# Altium PCB PCB1.PcbDoc (part 5 of 5) (continued)
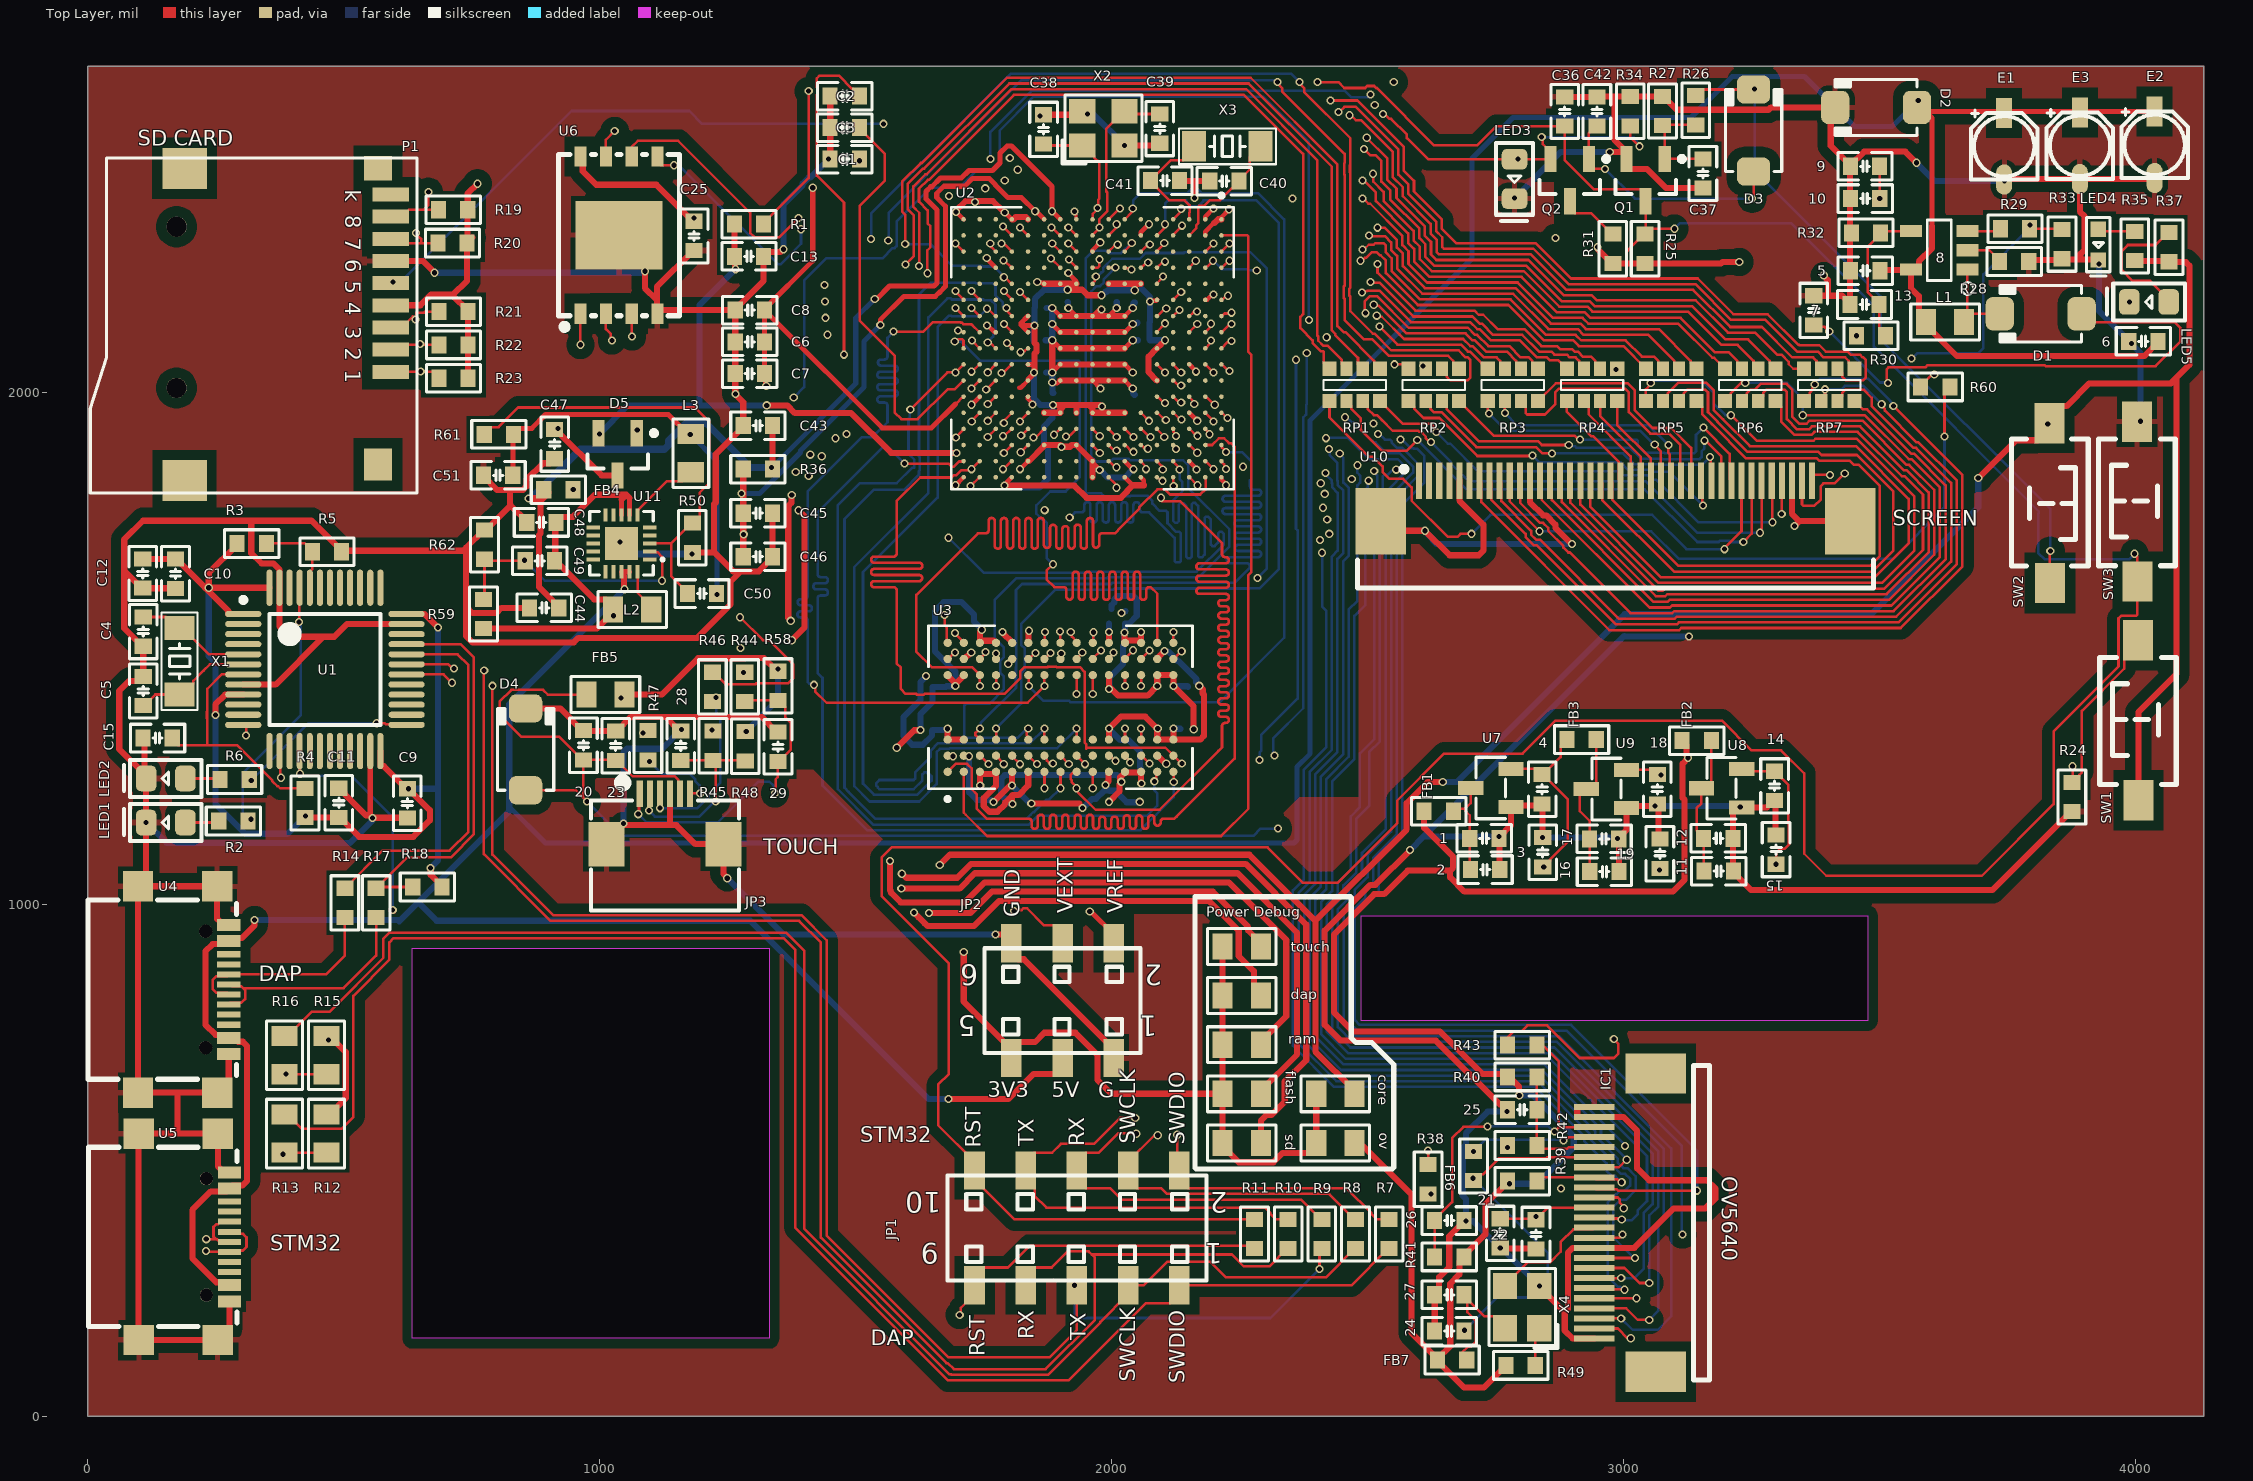
[diagram p0: Top Layer view]
## Nets (pads, with @x,y where several pads share a name; then routed paths per layer and width w, separated by ;. In a path a pad name is that pad's centre, name@x,y a point inside that pad or via, vN(x,y) a via of type N, cw(c..) or ccw(c..) an arc to the next point about the centre after c; other vN are vias at no path point) (continued)
NetRP7_5: RP7.5 U10.7 | length 1730.5
  Top Layer w5: U10.7@2718.62,1827.6 2722.03,1824.19 2722.03,1785.97 2972,1536 3108.81,1536 3112.81,1540 3541.45,1540 3662,1660.55 3662,1839 v1(3527,1974) ; RP7.5@3352.79,1983.5 3364.07,1994.78 3364.07,2000.02 3368.5,2004.45 3368.5,2007.53 3373.58,2012.6 v1(3373.58,2015.58)
  Bottom Layer w5: v1(3373.58,2015.58) 3385,2027 3477.76,2027 3520.71,1984.05 3520.71,1983.26 3527,1976.98 v1(3527,1974)
NetRP7_6: RP7.6 U10.8 | length 1630.4
  Top Layer w5: U10.8@2738.31,1827.6 2741.71,1824.19 2741.71,1790.52 2808.5,1723.73 2808.5,1717.61 2824.61,1701.5 2830.73,1701.5 2985.23,1547 3104.25,1547 3108.25,1551 3536.89,1551 3651,1665.11 3651,1827.89 3576.08,1902.82 3572.18,1902.82 3510.5,1964.5 3510.5,1967.95 3504.21,1974.24 v1(3504.21,1977.21) ; RP7.6@3386.25,1983.5 3393.52,1990.77 v1(3393.52,2006.29)
  Bottom Layer w5: v1(3393.52,2006.29) 3425.89,2006.29 3432.6,2013 3468.43,2013 v1(3504.21,1977.21)
NetRP7_7: RP7.7 U10.9 | length 1539.5
  Top Layer w5: U10.9@2757.99,1827.6 2761.4,1824.19 2761.4,1788.05 2819.5,1729.94 2819.5,1722.17 2829.17,1712.5 2836.94,1712.5 2991.44,1558 3099.7,1558 3103.7,1562 3532.34,1562 3640,1669.66 3640,1823.34 3571.52,1891.82 3566.28,1891.82 3484.5,1973.59 3484.5,1989.8 3468.51,2005.78 3433.91,2005.78 3427.06,1998.93 3427.06,1992.81 RP7.7@3417.75,1983.5
NetRP7_8: RP7.8 U10.11 | length 1412.1
  Top Layer w5: U10.11@2797.83,1837.01 2797.83,1784.67 2836.99,1745.5 2842.83,1745.5 2852.5,1735.83 2852.5,1729.99 2882.5,1699.99 2882.5,1697.17 2892.17,1687.5 2894.99,1687.5 3013.49,1569 3095.14,1569 3099.14,1573 3527.78,1573 3629,1674.22 3629,1818.78 3566.96,1880.82 3561.72,1880.82 3475.54,1967 3467.72,1967 RP7.8@3451.21,1983.5
OS_25M_IN: C39.2 U2.J2 X2.3 | length 342.5
  Top Layer w5: U2.J2@1962.48,2306.97 1962.48,2308.01 1975.94,2321.47 v1(1975.94,2322.72) 1975.94,2338.71 1991.17,2353.94 1991.17,2390.83 1989,2393 1989,2515.31 2023.31,2549.62 X2.3@2025.28,2549.62 2030.74,2544.16 C39.2@2093.94,2544.16
OS_25M_OUT: C38.2 U2.J1 X2.1 | length 242.5
  Top Layer w5: C38.2@1866.94,2485.61 1869.86,2482.69 X2.1@1942.6,2482.69 1944.57,2482.69 1965.69,2461.57 1965.69,2459.6 1975.94,2449.35 1975.94,2378.77 1973.44,2376.27 1973.44,2361.72 v1(1972.5,2360.77) ; U2.J1@1962.48,2338.46 1963.22,2339.2 1963.22,2349.33 v1@1974.67,2360.77
OS_32K_IN: C40.1 U2.C2 X3.2 | length 249.7
  Top Layer w5: U2.C2@2151.46,2306.97 2165.1,2320.61 2165.1,2326.79 2169,2330.69 2169,2362.07 2171.93,2365 2180.87,2365 2191.87,2376 2211.54,2376 2234.31,2398.77 2236.28,2398.77 2248.54,2411.03 C40.1@2248.54,2413 2248.54,2414.97 2269.84,2436.26 2269.84,2459.88 X3.2@2290.96,2481
OS_32K_OUT: C41.1 U2.C1 X3.1 | length 243.5
  Top Layer w5: U2.C1@2151.46,2338.46 2151.46,2351.41 2152.21,2352.17 2152.21,2365.83 2142.54,2375.5 2113.13,2375.5 2088.86,2399.77 2087.72,2399.77 2075.46,2412.03 C41.1@2075.46,2414 2075.46,2415.97 2087.72,2428.23 2089.69,2428.23 2115.43,2453.97 2139.92,2453.97 2161.04,2475.09 X3.1@2161.04,2481
PA9: JP1.8 R10.2 U2.D15 | length 2718.8
  Top Layer w5: v1(2046,583) 2016,583 1965,532 1900.74,532 1883.84,515.11 1849.58,515.11 1832,497.53 JP1.8@1832,480.2 1849.58,462.63 1849.58,430.42 1872.19,407.81 2299.25,407.81 2309.89,397.18 2309.89,395.18 2320.52,384.54 R10.2@2344.75,384.54 ; U2.D15@2119.96,1897.52 2119.96,1896.48 2125.58,1890.85 v1(2125.58,1889.57)
  Layer 1 w5: v1(2046,583) 2086,623 2086,1087 2137,1138 2188.33,1138 2384,1333.67 2384,1608 2434,1658 2434,1690 2424.15,1699.85 2421.49,1699.85 2409.54,1711.8 v1(2406.69,1711.8)
  Layer 4 w5: v1(2125.58,1889.57) 2138.44,1876.71 2138.44,1872 2149.2,1861.24 2149.2,1794.52 2095,1740.32 2095,1721 2107.5,1708.5 2265.77,1708.5 2284.77,1727.5 2396.5,1727.5 2400.26,1723.74 2400.26,1721.21 2406.69,1714.77 v1(2406.69,1711.8)
PA10: JP1.6 R9.2 U2.D14 | length 2588.5
  Top Layer w5: v1(2048,552) 2047,553 2013,553 1975.11,515.11 1949.58,515.11 1932,497.53 JP1.6@1932,480.2 1932,462.88 1949.58,445.3 1997.4,445.3 2019.4,423.3 2369.77,423.3 2408.53,384.54 R9.2@2410.5,384.54 ; U2.D14@2119.96,1929.02 2120.7,1928.28 2120.7,1922.93 2125.58,1918.05 v1(2125.58,1915.07)
  Layer 1 w5: v1(2048,552) 2106,610 2106,618 2103,621 2103,1076 2153,1126 2194,1126 2445,1377 2445,1735 2437.23,1742.77 2433.07,1742.77 2423.91,1751.94 v1(2420.93,1751.94)
  Layer 4 w5: v1(2125.58,1915.07) 2149.44,1891.21 2149.44,1876.56 2160.05,1865.95 2176.05,1865.95 2182.22,1859.78 2182.22,1836.76 2184,1834.97 2184,1791.14 2154.43,1761.57 2154.43,1757.43 2157.36,1754.5 2292.5,1754.5 2304.5,1766.5 2355.02,1766.5 2367.02,1754.5 2410.59,1754.5 2411.05,1754.04 2418.83,1754.04 v1(2420.93,1751.94)
PA11: U2.E17 U5.A7 U5.B7 | length 3667
  Top Layer w5: v1(231,346) 251.83,346 254.27,343.56 275.15,343.56 U5.A7@278.55,340.16 ; 250.2,346.01 245.22,350.99 245.22,369.84 250.2,374.82 254.34,374.82 259.05,379.53 U5.B7@278.55,379.53 ; U2.E17@2088.46,1834.53 2089.51,1834.53 2096.54,1827.5 v1(2099.5,1827.5)
  Layer 1 w5: v1(231,346) 231,365.44 245.56,380 443,380 501,438 501,1019.44 567.56,1086 660.67,1086 662.17,1087.5 675.83,1087.5 677.33,1086 747,1086 912,1251 912,1407.44 1015.56,1511 1261.22,1511 1283.72,1533.5 1285.39,1533.5 1437,1685.11 1437,1861.56 1435.66,1862.9 1435.66,1873.45 v1(1433.55,1875.55)
  Layer 4 w5: v1(1433.55,1875.55) 1433.55,1891.11 1436,1893.55 1436,1909.33 1442,1915.33 1442,1929 1450,1937 1493,1937 1498.5,1931.5 1498.5,1825.17 1497,1823.67 1497,1714.11 1558.11,1653 1856,1653 1865,1662 1865,1672 1875,1682 1891.2,1682 1901.86,1671.33 1901.86,1661.14 1910,1653 2008,1653 2030,1675 2030,1793.44 2059.33,1822.78 2078.09,1822.78 2082.82,1827.5 v1(2099.5,1827.5)
PA12: U2.E16 U5.A6 U5.B6 | length 3776.9
  Top Layer w5: v1(230.64,322.64) 231.44,321.84 277.18,321.84 278.55,320.47 281.96,323.88 302.84,323.88 309.69,330.73 309.69,349.58 302.84,356.44 281.96,356.44 U5.A6@278.55,359.84 ; U2.E16@2088.46,1866.02 2097.6,1856.89 2097.6,1851.68 v1(2099.7,1849.57)
  Layer 1 w5: v1(230.64,322.64) 227.67,322.64 219.13,331.18 215.82,331.18 211,336 211,371 236.5,396.5 327.83,396.5 333.33,391 438.44,391 488,440.56 488,1022 563,1097 656.11,1097 657.61,1098.5 680.39,1098.5 681.89,1097 742.44,1097 900,1254.56 900,1411 1011,1522 1256.67,1522 1279.17,1544.5 1280.83,1544.5 1426,1689.67 1426,1857 1417.05,1865.95 1417.05,1869.61 1411,1875.66 v1(1411,1878.64)
  Layer 4 w5: v1(1411,1878.64) 1413.1,1880.74 1413.1,1890.05 1416.5,1893.44 1416.5,1919.06 1445.44,1948 1497.56,1948 1509.5,1936.06 1509.5,1820.61 1508,1819.11 1508,1718.67 1560.89,1665.78 1850.29,1665.78 1853.22,1668.71 1853.22,1675.78 1870.44,1693 1895.76,1693 1912.86,1675.89 1912.86,1667.21 1915.79,1664.28 2003.72,1664.28 2019,1679.56 2019,1798 2054.78,1833.78 2073.54,1833.78 2078.26,1838.5 2087.17,1838.5 2098.24,1849.57 v1(2099.7,1849.57)
PB13: R24.2 SW1.2 U2.U14 | length 3570.1
  Top Layer w5: v1(1695.5,1912.01) 1695.5,1913.01 1710.51,1928.02 U2.U14@1710.51,1929.02 ; v1(3877.17,1269.83) 3877.17,1239.71 R24.2@3876,1238.54 3877.97,1238.54 3890.23,1250.81 3890.23,1252.78 3895.39,1257.93 3895.39,1377.83 3977.97,1460.42 3977.97,1488.97 SW1.2@4005,1516
  Layer 4 w5: v1(1695.5,1912.01) 1576.99,1912.01 1530,1959 1438,1959 1405.5,1926.5 1405.5,1898 1394.5,1887 1394.5,1871.8 1412.3,1854 1415,1854 1428,1841 1428,1834 1451,1811 1451,1713.44 1546.44,1618 2294,1618 2405,1507 3653,1507 3732.17,1427.83 3875.06,1284.94 3875.06,1271.94 v1(3877.17,1269.83)
PC8: P1.7 R20.2 U2.E13 | length 2042.7
  Top Layer w5: P1.7@591.39,2300.34 599.72,2292 651,2292 ; v1(641,2312) 641,2310.08 651,2300.08 651,2292 ; R20.2@683.46,2292 651,2292 ; U2.E13@2088.46,1960.51 2089.51,1960.51 2103.7,1946.32 v1(2105.72,1946.32)
  Layer 1 w5: v1(641,2312) 638,2315 638,2393 660,2415 673,2415 673.43,2415.43 677.57,2415.43 690.22,2402.78 712.67,2402.78 888,2227.44 888,2226.56 892.28,2222.28 995,2119.56 995,2119 996,2118 996,2088 1017,2067 1126.56,2067 1130.56,2071 1149,2071 1223,2145 1407,2145 v1(1440,2178)
  Layer 3 w5: v1(1440,2178) 1488.5,2129.5 1488.5,2119.5 1537,2071 1652,2071 1662,2081 1780,2081 1781,2080 1797.33,2080 1814.95,2062.38 1895.06,2062.38 1903,2054.44 1903,2023.78 1937.28,1989.5 2003.94,1989.5 2020.44,1973 2085.56,1973 2100.22,1958.34 2100.22,1954.8 2105.72,1949.3 v1(2105.72,1946.32)
PC9: P1.8 R19.2 U2.E14 | length 1918.6
  Top Layer w5: P1.8@591.39,2343.65 613.04,2343.65 626.39,2357 655.65,2357 ; v1(665,2392) 665,2366.35 655.65,2357 ; R19.2@684.91,2357 655.65,2357 ; U2.E14@2088.46,1929.02 2088.46,1928.26 2102.66,1914.07 v1(2102.66,1913.32)
  Layer 1 w5: v1(665,2392) 685.44,2392 685.67,2391.78 708.11,2391.78 877,2222.89 877,2222 984,2115 984,2084.44 1012.44,2056 1155.56,2056 1231.36,2131.81 1426.81,2131.81 v1(1441,2146)
  Layer 3 w5: v1(1441,2146) 1445,2146 1531,2060 1661,2060 1670,2069 1792.78,2069 1810.39,2051.38 1812.66,2051.38 1860.67,2003.37 1907.85,2003.37 1958.23,1953 2027,1953 2035.26,1961.26 2081.74,1961.26 2089.22,1953.78 2089.22,1926.76 v1(2102.66,1913.32)
PC10: P1.1 R23.2 U2.A13 | length 2850.1
  Top Layer w5: P1.1@591.39,2040.5 673.19,2040.5 685.46,2028.23 R23.2@685.46,2028 ; U2.A13@2214.45,1960.51 2215.4,1960.51 2225.55,1950.36 v1(2226.5,1950.36)
  Layer 1 w5: v1(650,2041) 651,2042 651,2044 664,2057 664,2083 685,2104 762,2104 798,2068 943.44,2068 988.44,2023 1169.23,2023 1228.23,2082 1235,2082 1238,2079 1298,2079 1325,2052 1439,2052 1453,2038 1453,1957 1460.67,1949.33 v1(1460.67,1910.67)
  Layer 4 w5: v1(1460.67,1910.67) 1462,1909.33 1462,1718 1551,1629 2250.56,1629 2276.56,1655 2435,1655 2453.11,1673.11 2453.11,1823.56 2452.5,1824.17 2452.5,1846.67 2425.98,1873.19 2417.51,1873.19 2340.33,1950.36 v1(2226.5,1950.36)
PC11: P1.2 R22.2 U2.B13 | length 2835.5
  Top Layer w5: P1.2@591.39,2083.8 600.58,2093 R22.2@685.46,2093 ; U2.B13@2182.95,1960.51 2182.95,1959.76 2198.7,1944.01 v1(2198.7,1943.26)
  Layer 1 w5: v1(649,2095) 673,2119 764,2119 804,2079 948,2079 993,2034 1164.67,2034 1226.32,2095.65 1299.07,2095.65 1325.72,2069 1457.07,2069 1482,2044.07 v1(1482,1919)
  Layer 4 w5: v1(1482,1919) 1482,1713.56 1555.56,1640 2246,1640 2272,1666 2420,1666 2442.11,1688.11 2442.11,1819 2441.5,1819.61 2441.5,1842.11 2421.42,1862.19 2412.95,1862.19 2363.14,1912 2214.93,1912 2212,1914.93 2212,1915.28 2207.55,1919.73 2207.55,1931.43 2198.7,1940.28 v1(2198.7,1943.26)
PC12: P1.5 U2.C12 | length 3352.9
  Top Layer w5: U2.C12@2151.46,1992.01 2151.46,1990.96 2159.23,1983.19 2159.23,1979.98 v1(2161.34,1977.87)
  Layer 1 w5: v1(1554,2525) 1609.5,2580.5 2284.41,2580.5 2355.71,2509.2 2376,2509.2 2401.95,2483.25 2401.95,1956.05 2462.07,1895.93 2462.07,1879.93 2463,1879 2463,1851.67 2468.17,1846.5 2468.17,1831.83 v1(2469,1831)
  Layer 4 w5: v1(2161.34,1977.87) 2161.34,1978.28 2142.54,1997.08 2127.92,1997.08 2126,1999 2121.13,1999 2086,2034.13 2086,2044 2087.71,2045.71 2087.71,2046.09 2103.63,2062 2240,2062 2259.74,2042.26 2320.63,2042.26 2408.89,1954 2414.48,1954 2450,1918.48 2450,1903 2460,1893 2460,1889.91 2465,1884.91 2465,1866.33 2463.5,1864.83 2463.5,1850.67 2469,1845.17 v1(2469,1831)
  Bottom Layer w5: v1(595.89,2215.73) 610.73,2215.73 945,2550 1175,2550 1200,2525 v1(1554,2525)
PD2: P1.3 R21.2 U2.D12 | length 2319.1
  Top Layer w5: P1.3@591.39,2127.11 613.04,2127.11 v1@634.46,2148.54 ; v1(640,2143) 641.85,2144.85 641.85,2155.92 656.48,2155.92 658.56,2158 R21.2@685.46,2158 ; U2.D12@2119.96,1992.01 2129.28,1982.68 2133.6,1982.68 v1(2135.71,1980.58)
  Layer 1 w5: v1(640,2143) 640,2145.98 637,2148.98 637,2150 624.5,2162.5 624.5,2397.57 653.93,2427 704,2427 900,2231 900,2230.11 1007,2123.11 1007,2094.9 1014.3,2087.6 1014.3,2085.26 1017.56,2082 1141.56,2082 1219.56,2160 1399,2160 1415,2176 1415,2186 v1(1439,2210)
  Layer 3 w5: v1(1439,2210) 1456.5,2192.5 1456.5,2177.06 1499.5,2134.06 1499.5,2126.5 1537,2089 1546,2089 1548,2091 1647.07,2091 1650,2093.93 1650,2094.77 1695.23,2140 1707,2140 1729,2118 1745.9,2118 1749.67,2114.23 1801.01,2114.23 1807.25,2108 1829,2108 1846,2091 1846,2087.93 1848.93,2085 1888,2085 1915,2058 1915,2031 1924,2022 1969,2022 1973,2026 1983.32,2026 1997.03,2012.29 1997.03,2011.97 2025,1984 2080,1984 2094,1998 2118.29,1998 v1(2135.71,1980.58)
PI8: R47.1 U2.E4 | length 2601.8
  Top Layer w5: U2.E4@2088.46,2243.98 2098.06,2253.58 2102.11,2253.58 v1(2104.21,2255.68)
  Layer 2 w5: v1(1084.63,1334.63) 1129,1379 1485,1379 1563.64,1300.36 1563.64,1299.31 1573.31,1289.64 1574.36,1289.64 1591.77,1272.23 1688.8,1175.2 1709,1155 2059.2,1155 2184.85,1280.65 2184.85,1295.85 2354,1465 2354,2022 2420,2088 v1(2420,2108)
  Layer 4 w5: v1(2104.21,2255.68) 2142.66,2255.68 2164.34,2234 2264.33,2234 2276.57,2221.76 2308.13,2221.76 2315.87,2214.01 2315.87,2190.13 2368.95,2137.05 2368.95,2134.61 2395.56,2108 v1(2420,2108)
PI11: R46.1 U2.F4 | length 3061.5
  Top Layer w5: R46.1@1220,1453.54 1221.97,1453.54 1245.23,1430.28 1304.23,1430.28 1306.23,1432.28 1368.25,1432.28 1378,1442.03 1378,1469.06 1330.7,1516.36 1318.64,1516.36 v1(1274,1561) ; U2.F4@2056.97,2243.98 2058.01,2243.98 2068.32,2254.29 v1(2071.21,2254.29)
  Layer 1 w5: v1(1274,1561) 1378,1665 1378,1709 1355,1732 1355,1898.81 1378.93,1922.74 v1(1378.93,1990.6)
  Layer 4 w5: v1(2071.21,2254.29) 2087.93,2271 2096.2,2271 2099.92,2274.72 2142.39,2274.72 2143.57,2275.91 2190.68,2275.91 2192.13,2274.45 2249.55,2274.45 2251,2273 2272.44,2273 2385,2160.44 2385,2141.89 v1(2385.45,2141.45)
  Bottom Layer w5: v1(1378.93,1990.6) 1399,2010.67 1399,2219 1442,2262 1551.83,2262 1571.83,2282 1576,2282 1580,2286 1580,2334 1646.5,2400.5 1702.5,2400.5 1737,2435 1764.83,2435 1781,2451.17 1781,2511.44 1847.56,2578 2296.04,2578 2385,2489.04 2385,2141.89 v1(2385.45,2141.45)
"QSPI_BK1_IO0 / PF8": U2.K4 U6.5 | length 1141.4
  Top Layer w5: U6.5@1111.84,2451.23 1119.07,2444 v1(1145,2444) ; v1(1916.74,2259.72) 1916.74,2258.97 1930.98,2244.73 U2.K4@1930.98,2243.98
  Layer 1 w5: v1(1393,2319) 1535.06,2319 1597.06,2381 1663.87,2381 1666.37,2383.5 1681.37,2383.5 v1(1681.87,2384)
  Layer 3 w5: v1(1681.87,2384) 1679.77,2381.9 1679.77,2368.77 1677,2366 1677,2257 1686.26,2247.74 1733.09,2247.74 1734.6,2246.23 1763.09,2246.23 1767.6,2241.72 1796.66,2241.72 1800.94,2246 1830,2246 1843.78,2232.22 1890.32,2232.22 1916.74,2258.65 v1(1916.74,2259.72)
  Bottom Layer w5: v1(1145,2444) 1155,2444 1348.6,2250.4 1352.74,2250.4 1393,2290.67 v1(1393,2319)
"QSPI_BK1_IO1 / PF9": U2.L4 U6.2 | length 1282.1
  Top Layer w5: U6.2@1011.84,2154.53 1011.84,2123.81 1021.4,2114.25 1021.4,2103.84 v1(1023.5,2101.74) ; v1(1881.33,2262.13) U2.L4@1899.49,2243.98
  Layer 1 w5: v1(1023.5,2101.74) 1047.43,2101.74 1056.17,2093 1137,2093 1241,2197 1241,2335 1264,2358 1539,2358 1596.5,2415.5 1765.29,2415.5 1766.79,2414 v1(1791,2414)
  Layer 3 w5: v1(1791,2414) 1829,2414 1867,2376 1867,2338.84 1865.74,2337.57 1865.74,2313.41 1867.24,2311.91 1867.24,2276.22 v1(1881.33,2262.13)
"QSPI_BK1_IO2 / PF7": U2.K3 U6.3 | length 1233.8
  Top Layer w5: U6.3@1061.84,2154.53 U6.3@1062.42,2153.96 1062.42,2110.08 v1(1063,2109.5) ; v1(1915.24,2291.22) U2.K3@1930.98,2275.47
  Layer 1 w5: v1(1063,2109.5) 1087.24,2109.5 1092.74,2104 1114,2104 1229,2219 1229,2344 1257.5,2372.5 1533.06,2372.5 1589.56,2429 1779.56,2429 1785.68,2435.12 1816.44,2435.12 v1(1816.49,2435.18)
  Layer 3 w5: v1(1816.49,2435.18) 1817.67,2434 1841.44,2434 1897,2378.44 1897,2364.05 1900,2361.05 1900,2336 1898.74,2334.74 1898.74,2307.72 v1(1915.24,2291.22)
"QSPI_BK1_IO3 / PF6": U2.K2 U6.7 | length 1147
  Top Layer w5: U6.7@1011.84,2451.23 1011.84,2493.84 v1(1029,2511) ; v1(1915.24,2322.72) U2.K2@1930.98,2306.97
  Layer 1 w5: v1(1029,2511) 1030,2510 1129,2510 1255.5,2383.5 1468.83,2383.5 1471.33,2386 1531,2386 1585,2440 1775,2440 1784.34,2449.34 1789.23,2449.34 1798.02,2458.13 v1(1801,2458.13)
  Layer 3 w5: v1(1801,2458.13) 1801.87,2459 1832,2459 1908,2383 1908,2382 1911,2379 1911,2346.67 1915.24,2342.43 v1(1915.24,2322.72)
"QSPI_BK1_NCS / PG6": U2.G15 U6.1 | length 1366
  Top Layer w5: U6.1@961.84,2154.53 U6.1@961.89,2154.49 ; v1@961.89,2093.46 v1(961.94,2093.42) 961.94,2153.47 U6.1@962.42,2153.95 ; U2.G15@2025.47,1897.52 2026.52,1897.52 2039.85,1884.19 v1(2042.72,1884.19)
  Layer 1 w5: v1(961.94,2093.42) 961.94,2090.95 1007.89,2045 1160.11,2045 1223.83,2108.72 1323.01,2108.72 1327.29,2113 v1(1445,2113)
  Layer 3 w5: v1(1445,2113) 1461.33,2113 1525.33,2049 1665.56,2049 1673.81,2057.26 1788.96,2057.26 1808.73,2037.49 1811,2037.49 1858.49,1990 1870,1990 1872.37,1992.37 1903.3,1992.37 1959.67,1936 1974,1936 1978.77,1940.77 2021.12,1940.77 2025.88,1936 2043.33,1936 2059.22,1920.1 2059.22,1902.27 2042.72,1885.77 v1(2042.72,1884.19)
"QSPI_CLK / PF10": U2.L3 U6.6 | length 1220.4
  Top Layer w5: U6.6@1061.84,2451.23 1061.84,2479.58 1074.17,2491.9 1153.1,2491.9 1293.86,2351.14 1293.86,2311.63 1301.72,2303.77 1350.77,2303.77 v1(1388,2341) ; v1(1883.74,2291.22) U2.L3@1899.49,2275.47
  Layer 1 w5: v1(1388,2341) 1541.5,2341 1601,2400.5 1751.5,2400.5 v1(1753,2399)
  Layer 3 w5: v1(1753,2399) 1754,2399 1766,2387 1806.07,2387 1809,2384.07 1809,2336 1804.25,2331.25 1804.25,2315.88 1813.91,2306.22 1831.31,2306.22 1834.24,2303.29 1834.24,2284.39 1838,2280.63 1838,2253.56 1848.33,2243.22 1885.76,2243.22 1900.24,2257.71 1900.24,2274.72 v1(1883.74,2291.22)
RST: C36.1 JP1.10 Q1.3 R11.2 R25.1 SW3.1 U2.K1 | length 7567.7
  Top Layer w5: v1(1927.5,2353.5) 1927.5,2350.52 1930.25,2347.78 1930.25,2339.2 U2.K1@1930.98,2338.46 ; R11.2@2279,384.54 1810.34,384.54 1732,462.88 JP1.10@1732,480.2 1732,497.53 1661,568.53 1661,648 1682,669 1682,885 1550.5,1016.5 1550.5,1091.83 1570.17,1111.5 2304.5,1111.5 2374,1042 2441,1042 2557.5,1158.5 2557.5,1202.5 2649.5,1294.5 2802.5,1294.5 2867,1359 3192,1359 3250,1301 3308,1301 3353,1256 3353,1099 3396,1056 3700,1056 3840,1196 3840,1338 3966.97,1464.97 3966.97,1558.89 3971.95,1563.87 4000.86,1563.87 4003.79,1566.8 SW3.1@4003.79,1630.69 4003.79,1679.79 3998.57,1685 v1(3998,1685) ; v1(2402,2606.5) 2442.79,2606.5 2454.29,2595 2495.07,2595 2498.99,2598.93 2512.66,2598.93 2516.59,2595 2518,2595 2630,2483 2714,2483 2751.46,2520.46 C36.1@2885,2520.46 2885,2454.32 2942.57,2396.75 3033.69,2396.75 3043,2387.44 Q1.3@3043,2373.66 R25.1@3043,2310.54 ; 3007.69,2277.2 3040.03,2309.54 R25.1@3042,2309.54 R25.1@3043,2310.54 ; v1(3099.28,2319.9) 3052.36,2319.9 R25.1@3043,2310.54
  Layer 3 w5: v1(1927.5,2353.5) 1929.6,2355.6 1929.6,2368.58 1961.02,2400 1984.44,2400 2028.44,2444 2344.89,2444 2401,2500.11 2401,2605.5 v1(2402,2606.5)
  Bottom Layer w5: v1(3099.28,2319.9) 3110.37,2331 3327,2331 3489,2169 3489,2090 3810.93,1768.07 3810.93,1763.93 3810,1763 3810,1686.93 3822.93,1674 3987,1674 v1(3998,1685)
"SWCLK / PA14": JP1.4 R8.2 U2.B14 | length 2386.5
  Top Layer w5: v1(2090,549) 2083.47,549 2032,497.53 JP1.4@2032,480.2 2032,462.88 2049.58,445.3 2097.09,445.3 2108.09,434.3 2424.52,434.3 2474.28,384.54 R8.2@2476.25,384.54 ; U2.B14@2182.95,1929.02 2182.95,1927.97 2191.1,1919.83 v1(2191.1,1918.49)
  Layer 1 w5: v1(2090,549) 2090.5,549.5 2090.5,564.5 2117,591 2117,1071.56 2160.44,1115 2198.56,1115 2456,1372.44 2456,1796.44 2447,1805.45 2434.14,1805.45 2431.64,1802.95 2416.95,1802.95 v1(2416.14,1802.14)
  Layer 3 w5: v1(2191.1,1918.49) 2191.1,1880.9 2206,1866 2215.58,1866 2216.67,1867.08 2244.92,1867.08 2254,1858 2254,1857.5 v1(2256.5,1855)
  Layer 4 w5: v1(2256.5,1855) 2279.58,1878.08 2327.92,1878.08 2401.75,1804.25 2414.04,1804.25 v1(2416.14,1802.14)
"SWDIO / PA13": JP1.2 R7.2 U2.C15 | length 2328.1
  Top Layer w5: v1(2128,550) 2128,484.2 JP1.2@2132,480.2 2132,462.88 2149.58,445.3 2459.01,445.3 2507.14,397.18 2507.14,395.18 2517.77,384.54 R7.2@2542,384.54 ; U2.C15@2151.46,1897.52 2151.8,1897.52 2166.86,1882.45 v1(2167.2,1882.45)
  Layer 1 w5: v1(2128,550) 2128,1067 2165,1104 2205,1104 2467,1366 2467,1801 2448,1820 2426.3,1820 2423.8,1822.5 2408.5,1822.5 v1(2408.3,1822.7)
  Layer 4 w5: v1(2167.2,1882.45) 2201.29,1882.45 2216.67,1867.08 2234.33,1867.08 2256.33,1889.08 2354,1889.08 2374.06,1869.02 2374.06,1868.38 2394.12,1848.32 2394.12,1836.88 v1(2408.3,1822.7)
VBAT: C47.1 D5.3 U2.B1 | length 2965.4
  Top Layer w8.86: U2.B1@2182.95,2338.46 2182.95,2343.75 v1(2198.7,2359.5)
  Top Layer w12: C47.1@914.77,1926.77 1003.57,1837.97 D5.3@1034.72,1837.97
  Layer 2 w10: v1(918,1930) 964,1930 1234,2200 1390,2200 1524,2334 1609,2334 1639,2364 1639,2382 1743,2486 1800,2486 1842,2444 1960,2444 1978,2426 2076,2426 2080,2422 2211,2422 2360,2273 2360,2207 2556,2011 2556,1959.86 2535.39,1939.25 2511.51,1939.25 v1(2511.51,1939.3)
  Layer 4 w10: v1(2198.7,2359.5) 2221.2,2337 2243.09,2337 2409.5,2170.59 2409.5,2162.17 2488.5,2083.17 2488.5,1976.85 2496.68,1968.67 2496.68,1955.6 2511.51,1940.77 v1(2511.51,1939.3)
VBAT-EXT: D5.1 JP2.4 | length 1536
  Top Layer w5: v1(1809,987) 1811.1,989.1 1824.08,989.1 1827.48,992.5 1834.5,992.5 1867.89,959.11 1886.42,959.11 1904,941.53 JP2.4@1904,924.2
  Layer 3 w5: v1(1073,1927) 1098,1902 1098,1861 1245.22,1713.78 1245.22,1563.68 1240,1558.46 1240,1510 1252,1498 1252,1321 1264,1309 1522,1309 1798.27,1032.73 1798.27,1029.19 1809,1018.46 v1(1809,987)
VDDA: C43.2 C44.2 FB4.2 R36.1 U2.L1 | length 2073.3
  Top Layer w8.86: v1(1883.5,2354.21) 1883.74,2354.21 U2.L1@1899.49,2338.46
  Top Layer w10: v1(1537,2183) 1541,2183 1566,2208 1652.87,2208 1659,2214.13 1659,2356.45 1637,2378.45 1637,2392.63 1646.37,2402 1648.37,2402 1665.37,2419 1706.09,2419 1721.09,2434 1767.37,2434 1782,2448.63 1782,2468 1795.86,2481.86 1804.14,2481.86 1883.5,2402.5 v1(1883.5,2354.21)
  Top Layer w12: FB4.2@899.72,1805.31 899.72,1803.53 883.94,1787.75 883.94,1724.61 880.94,1721.61 880.94,1620.14 919.81,1581.28 C44.2@919.81,1579.31 ; R36.1@1337.26,1850.31 C43.2@1337.26,1935.31
  Top Layer w14: v1(861.16,1793.29) 861.54,1792.91 878.78,1792.91 883.94,1787.75 ; v1(1335.72,1853.31) 1335.72,1851.85 R36.1@1337.26,1850.31
  Bottom Layer w10: v1(1335.72,1853.31) 1500,2017.59 1500,2146 v1(1537,2183)
  Bottom Layer w14: v1(861.16,1793.29) 863.17,1795.31 867.72,1795.31 961.72,1889.31 1126.52,1889.31 1134.72,1897.51 1134.72,1906.01 1168.02,1939.31 1208.6,1939.31 1294.6,1853.31 v1(1335.72,1853.31)
VREF: C45.2 C46.2 JP2.2 R36.2 U2.M1 | length 2430.5
  Top Layer w8.86: v1(1850.5,2354.21) 1852.24,2354.21 U2.M1@1867.99,2338.46
  Top Layer w10: v1(1548,2132) 1548,2142 1594,2188 1655.5,2188 1663.5,2196 1664,2196 1675,2207 1675,2364 1658.14,2380.86 1658.14,2389.14 1672,2403 1712.72,2403 1727.72,2418 1760.87,2418 1772,2406.87 1772,2406.13 1797.38,2380.75 1823.97,2380.75 v1(1850.5,2354.21) ; v1(1957,986) 1958.15,984.85 1960.68,984.85 2004,941.53 JP2.2@2004,924.2
  Top Layer w12: C46.2@1280.18,1679.31 C45.2@1280.18,1764.31 R36.2@1280.18,1850.31
  Layer 3 w10: v1(1281,1723) 1281,1682 1560,1403 1599,1403 1646,1356 1646,1234 1766.43,1113.57 1837.43,1113.57 1902,1049 1902,1033.62 1902,998 1913,987 1956,987 v1(1957,986)
  Bottom Layer w10: v1(1277,1803) 1312.28,1803 1392,1882.72 1392,1886.51 1516,2010.51 1516,2100 v1(1548,2132)
pads on no net: IC1.0 P1.0 P1.9 P1.10 U1.2 U1.3 U1.4 U1.10 U1.11 U1.13 U1.15 U1.17 U1.18 U1.19 U1.20 U1.21 U1.22 U1.26 U1.27 U1.28 U1.29 U1.34 U1.37 U1.38 U1.39 U1.40 U1.41 U1.42 U1.43 U1.46 U2.A5 U2.A11 U2.A12 U2.A14 U2.B5 U2.B7 U2.B11 U2.C3 U2.C5 U2.C6 U2.C9 U2.C11 U2.D3 U2.D4 U2.D5 U2.D8 U2.D9 U2.E1 U2.E15 U2.F1 U2.G2 U2.K16 U2.K17 U2.L16 U2.L17 U2.M2 U2.M3 U2.M4 U2.M16 U2.M17 U2.N3 U2.N4 U2.N5 U2.N17 U2.P11 U2.P12 U2.R1 U2.R2 U2.R5 U2.R6 U2.R15 U2.R16 U2.R17 U2.T1 U2.T2 U2.T3 U2.T4 U2.T5 U2.T14 U2.T15 U2.U2 U2.U4 U2.U5 U2.U13 U2.U15 U3.E3 U3.E7 U3.H3 U3.H7 U3.K2 U3.K3 U4. U4.A5 U4.A8 U4.B5 U4.B8 U5. U5.A5 U5.A8 U5.B5 U5.B8 U10.1 U10.2 U10.3 U10.4 U10.6 U11.1 U11.4 U11.5 U11.9 U11.10 U11.11 U11.12 U11.13 U11.14 U11.15 U11.16 U11.17

## Polygon pours and split planes (outlines as drawn)
GND on Top Layer "GND_L01_P000" (solid, remove dead copper, pour order 0): 4134,2638 4134,0 1,0 0,2637 0,2638
GND on Layer 2 "GND_L04_P001" (solid, remove dead copper, pour order 1): 0,2638 4134,2638 4134,0 1,0 0,-1
GND on Layer 1 "GND_L03_P003" (solid, remove dead copper, pour order 3): 0,2638 4134,2638 4134,0 1,0 0,-1
GND on Bottom Layer "GND_L06_P004" (solid, remove dead copper, pour order 4): 0,2638 4134,2638 4134,0 1,0 0,-1
GND on Layer 4 "GND_L05_P006" (solid, remove dead copper, pour order 6): 0,2638 4134,2638 4134,0 1,0 0,-1
GND on Layer 3 "GND_L02_P002" (solid, remove dead copper, pour order 2): 0,2638 4134,2638 4134,0 1,0 0,-1

## Other copper
Top Layer:
  pour cut-out: 1441,1911 1354,1824 1296,1824 1296,1653.47 1271,1628.47 1271,1576.06 1370,1477.06 1370,1263 1417,1263 1580,1100 1615,1135 2292,1135 2366,1209 2483,1209 2483,1831 2394,1920 2394,2509 1431,2509 1441,2499 1441,1940
Layer 1:
  pour cut-out: 2858.41,1711.81 2886.21,1684 2919,1684 2964,1639 2976,1651 3223,1651 3223,1684 3296,1757 3285.22,1767.78 2853.5,1767.78
  pour cut-out: 1433,2577 1433,2443 1341,2351 1240,2351 1240,2143 1429.83,1953.17 1456.83,1953.17 1456.83,1736.17 1556,1637 1556,1379 1767,1379 1919.12,1226.88 2180.53,1226.88 2300,1346.35 2300,2227 2356,2227 2412,2283 2412,2534 2374,2534 2299,2609 2279,2589 1445,2589
Layer 2:
  pour cut-out: 1428,2214 1437,2205 1437,2106 1543,2000 1533,1990 1533,1336 1714,1155 2065,1155 2354,1444 2354,2110 2385.45,2141.45 2354,2172.89 2354,2304 2329,2304 2197.82,2435.18 1798.82,2435.18 1754,2480 1618,2344 1532,2344 1428,2240 1428,2212
Layer 3:
  pour cut-out: 1668,2391 1668,1617 1673,1612 1678,1617 2348,1617 2348,2298 2255,2391
Layer 4:
  pour cut-out: 1817,2270 1809,2270 1472,1933 1472,1740 1474,1740 1601,1613 1626,1638 2189,1638 2189,2306 2182,2299 1823,2299
Bottom Layer:
  pour cut-out: 1393,2172 1393,1263 1543,1113 2446,1113 2446,2475 2303,2618 1849,2618 1516,2285 1516,2191 1401,2191 1389,2179

## Silkscreen, mask and mechanical layers (free items; w line width, h text height)
Top Overlay:
  lines w10: 2163,485 2165,483 2548,483 2551,486 2551,687 2508,730 2477,730 2468,739 2468,1013 2466,1015 2163,1015 2163,485
  text "SD CARD" at 97,2482 h30
  text "SCREEN" at 3526,1740 h30
  text "TOUCH" at 1319,1098 h30
  text "VEXT" at 1924,983 h30 r90
  text "VREF" at 2022,983 h30 r90
  text "Power Debug" at 2185,975.66 h20
  text "GND" at 1820,975 h30 r90
  text "DAP" at 334,850 h30
  text "3V3" at 1758,623 h30
  text "5V" at 1883,623 h30
  text "G" at 1974,622 h30
  text "STM32" at 1509,535 h30
  text "SWCLK" at 2046,532 h30 r90
  text "SWDIO" at 2143,530 h30 r90
  text "TX" at 1848,528 h30 r90
  text "RX" at 1946,528 h30 r90
  text "RST" at 1744,525 h30 r90
  text "OV5640" at 3192,469 h30 r270
  text "STM32" at 356,323 h30
  text "RX" at 1848,150 h30 r90
  text "TX" at 1949,149 h30 r90
  text "DAP" at 1529,139 h30
  text "RST" at 1752,117 h30 r90
  text "SWCLK" at 2046,67 h30 r90
  text "SWDIO" at 2143,65 h30 r90
Mechanical 1:
  lines w10: 0,0 4133.86,0 4133.86,2637.8 0,2637.8 0,0 ; 634,152 1331,152 1331,914 634,914 634,152 ; 2488,773 3477,773 3477,978 2488,978 2488,773

## Text inside footprints (layer, text, board x,y; h text height)
JP1: Top Overlay "10" at 1667,438 h40 r180; Top Overlay "9" at 1662,338 h40 r180; Top Overlay "2" at 2227,438 h40 r180; Top Overlay "1" at 2217,338 h40 r180
JP2: Top Overlay "2" at 2099,882 h40 r180; Top Overlay "1" at 2089,782 h40 r180; Top Overlay "6" at 1739,882 h40 r180; Top Overlay "5" at 1734,782 h40 r180
P1: Top Overlay "1" at 503,2044.5 h30 r270; Top Overlay "2" at 503,2087.5 h30 r270; Top Overlay "3" at 503,2129.5 h30 r270; Top Overlay "4" at 503,2176.5 h30 r270; Top Overlay "5" at 503,2218.5 h30 r270; Top Overlay "6" at 503,2260.5 h30 r270; Top Overlay "7" at 503,2302.5 h30 r270; Top Overlay "8" at 503,2346.5 h30 r270; Top Overlay "k" at 503,2396.48 h30 r270